# Altium PCB BitDogLab V7.PcbDoc (part 1 of 2) (continued)
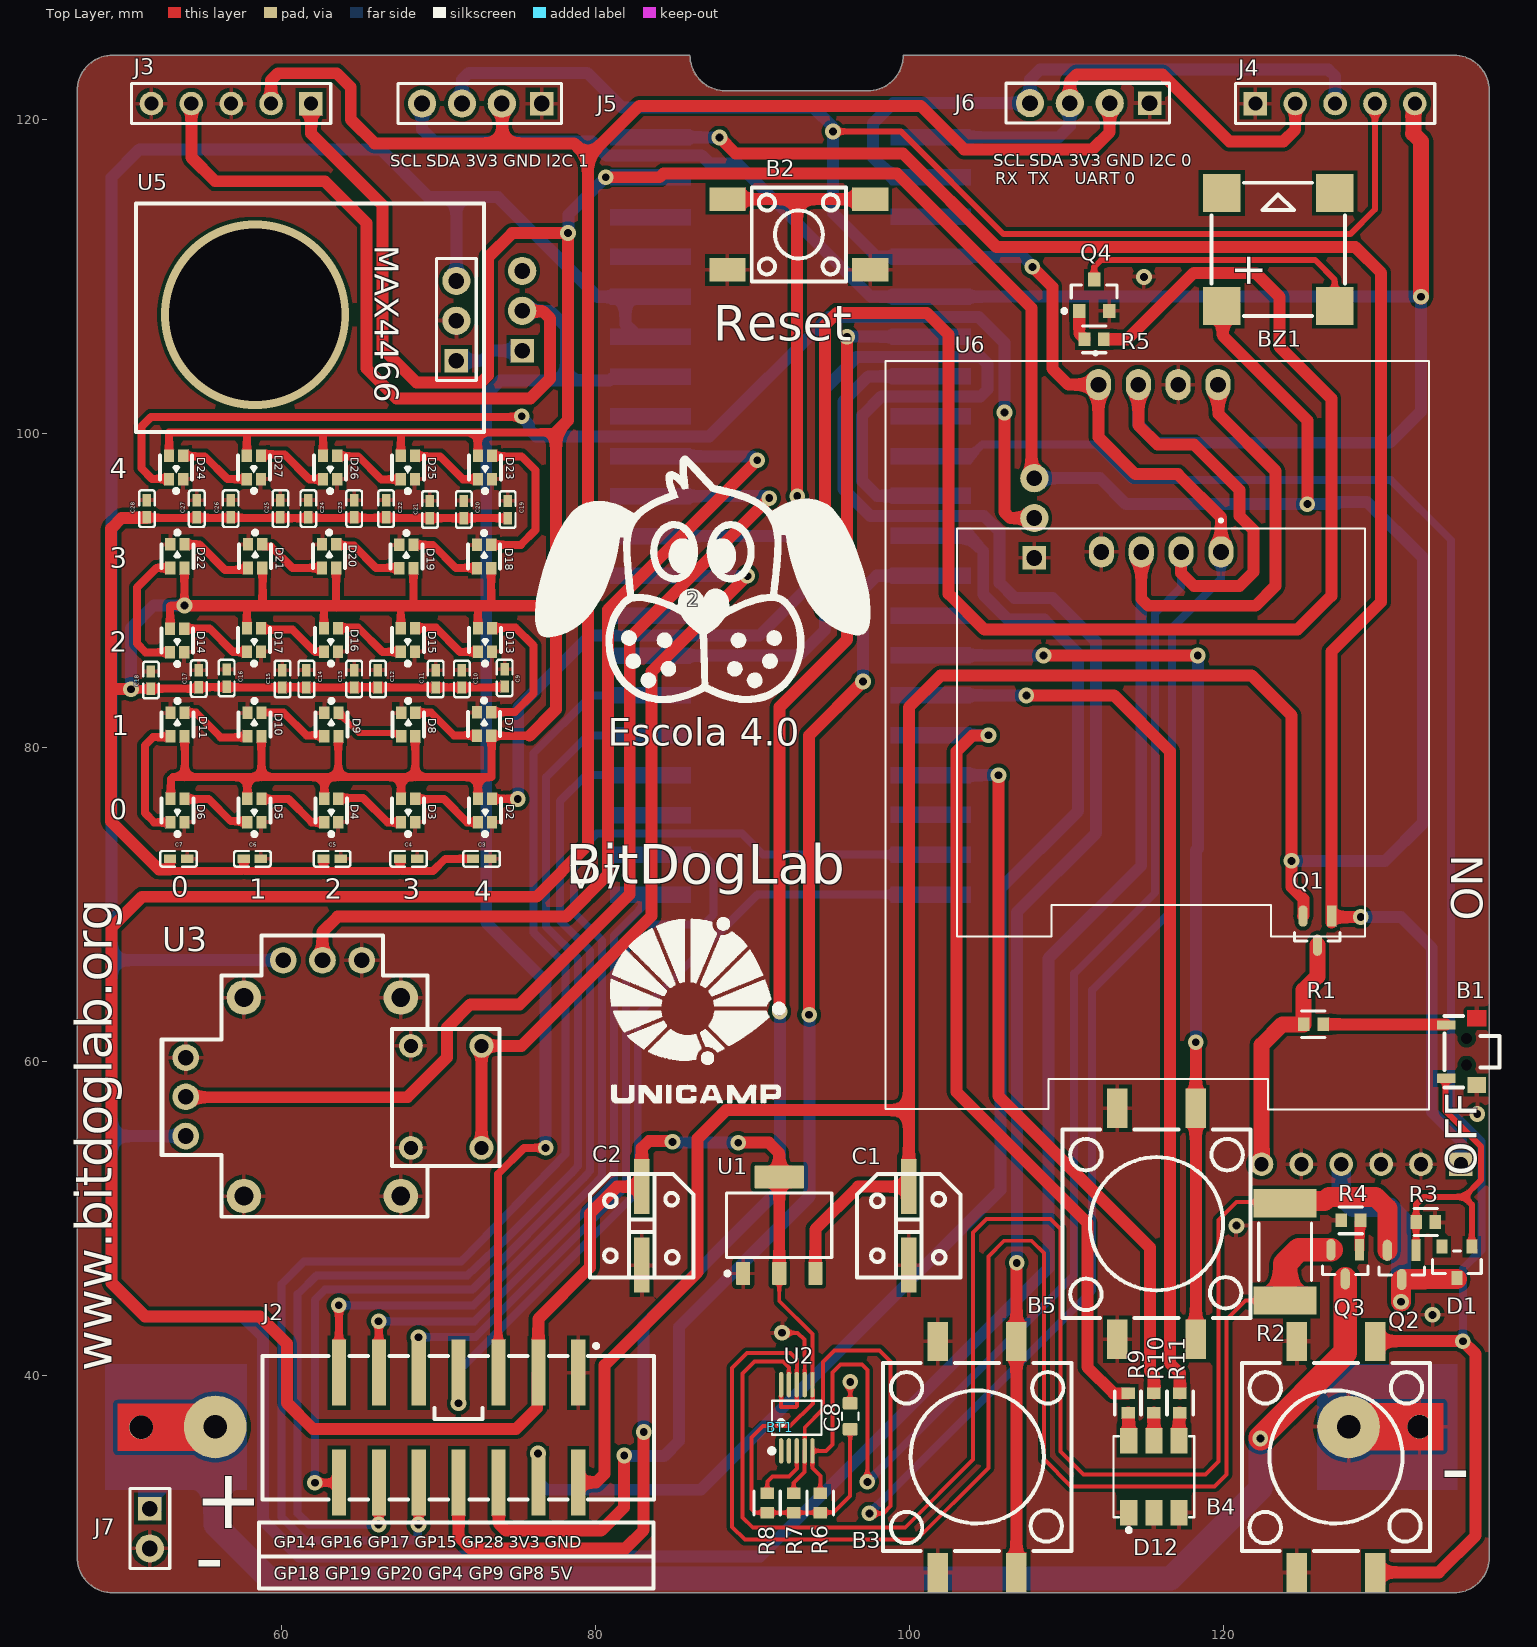
[diagram p0: Top Layer view]
## Footprints (in the part's own frame and the unit in brackets; to place one, negate y for a bottom-side part, rotate by r counter-clockwise, add the part's x,y. Pads: shape width x height; smd on the part's side, far side on the other; paste and mask are expansions set on the pad)
"Bateria 18650 - SMD" [mm]
  round 1.525 hole 1.5: 1(-0.013,76.74) 2(0.03,-4.726)
  round 4 / inner round 1.525 / far side round 1.525 hole 1.5 paste-2539.97 mask+0: 1(0,72.22) 2(0,0)
  Top Layer region: -1.513,78.24 -1.513,71.876 1.487,71.876 1.487,78.24
  Top Layer region: 1.53,-6.226 1.53,0.138 -1.47,0.138 -1.47,-6.226
  Bottom Layer region: -4,70.22 4,70.22 4,79.147 -4,79.147
  Bottom Layer region: -1.513,78.24 -1.513,71.876 1.487,71.876 1.487,78.24
  Bottom Layer region: -4,-7.005 4,-7.005 4,2 -4,2
  Bottom Layer region: 1.53,-6.226 1.53,0.138 -1.47,0.138 -1.47,-6.226
  body extent -10.39,-2.82 10.41,74.83, height 3.41
"Buzzer SMD - MLT-8530" [mm]
  rect 2.4x2.4 smd paste+0 mask+0.051: 1(0,0) 2(7.2,0) 3(7.199,7.2) 4(0,7.2)
  silkscreen extent -0.65,-0.65 7.85,7.85, body extent -0.71,-0.57 7.79,7.93, height 3
"Capacitor SMD 0402" [mm] "Capacitor Ceramico"
  rect 0.79x0.54 smd paste-100 mask+0.051: 1(0,0) 2(1.09,0)
  silkscreen extent -0.62,-0.5 1.71,0.5, body extent 0,-0.28 1.05,0.28, height 0.59
"Capacitor SMD 0603" [mm] "Capacitor Ceramico"
  rrect25% 0.8x0.95 smd mask+0: 1(0,0) 2(1.65,0)
  silkscreen extent 0.59,-0.52 1.06,0.52, body extent 0.02,-0.41 1.63,0.45, height 0.88
"Capacitor SMD - 6.3 x 5.4mm" [mm]
  rect 1x3.5 smd paste+0 mask+0.051: 1(0,0) 2(0,-5.005)
  silkscreen extent -3.3,-5.8 3.3,0.8, body extent -3.27,-6.14 3.33,1.06, height 5.42
"Charger Module IP5306" [mm]
  rect 1.5x1.5 hole 0.9: 1(0,0)
  round 1.5 hole 0.9: 2(0,-2.54) 3(0,-5.08) 4(0,-7.62) 5(0,-10.16) 6(0,-12.7)
  silkscreen extent -2.5,-15.34 24.5,1.64, body extent -1.72,-14.27 23.28,2.83, height 4.42
"CHAVE TÁCTIL 12mm - SMD" [mm] "Chave Tactile de 6mm - Acionador Curto"
  rect 2.5x1.3 smd paste+0 mask+0.05: 1(0,0) 1(14.716,0) 2(0,-5) 2(14.716,-5)
  silkscreen extent 1.36,-8.5 13.36,3.5, body extent -0.38,-8.44 14.62,3.56, height 7.3
"CHAVE TÁCTIL SMD" [mm] "Chave Tactile de 6mm - Acionador Curto"
  rect 2.3x1.5 smd: 1(0,0) 1(9.1,0) 2(0,-4.5) 2(9.1,-4.5)
  silkscreen extent 1.55,-5.25 7.55,0.75, body extent -0.37,-5.42 9.66,0.92, height 5.55
"CHAVE TÁCTIL SMD 90" [mm] "SHOU HAN TS24CA 90 graus / LCSC Part C393942"
  rect 0.6x1.2 smd: 1(-2.55,-1.3) 2(0.85,-1.3)
  round 0.025 smd: 3(-2.975,0.65)
  rect 1x1.2 smd: 4(1.275,0.65)
  round 0.25 hole 0.7: 5(-1.7,0) 6(0,0)
  Top Layer region: -3.475,1.25 -3.475,0.05 -2.475,0.05 -2.475,1.25
  silkscreen extent -3.13,-1.4 1.43,2.1, body extent -3.2,-1.56 1.5,2.1, height 1.95
"Conector IDC 14 Pinos" [mm]
  rect 0.9x4.2 smd: 1(-8.144,-3.712) 2(-8.144,3.288) 3(-5.604,-3.712) 4(-5.604,3.288) 5(-3.064,-3.712) 6(-3.064,3.288) 7(-0.524,-3.712) 8(-0.524,3.288) 9(2.016,-3.712) 10(2.016,3.288) 11(4.556,-3.712) 12(4.556,3.288) 13(7.096,-3.712) 14(7.096,3.288)
  silkscreen extent -12.97,-5.55 11.99,4.36, body extent -9.43,-4.01 8.35,3.69, height 9.68
"Connector XH 1x4" [mm]
  rect 1.5x1.5 hole 1: 1(0,0)
  round 1.8 hole 1: 2(2.54,0) 3(5.08,0) 4(7.62,0)
  silkscreen extent -1.27,-1.27 9.14,1.27, body extent -2.46,-1.6 10.04,2.2, height 6
DCY0004A_L [mm] "SOT223, 4-Leads, Body 6.7x3.7mm, Pitch 2.3mm, IPC High Density"
  rrect11% 1.45x0.9 smd: 1(-3.075,2.3) 2(-3.075,0) 3(-3.075,-2.3)
  rrect7% 1.45x3.15 smd: 4(3.075,0)
  silkscreen extent -3.2,-3.35 2.05,3.42, body extent -3.5,-3.25 3.5,3.25, height 1.62
"DISPLAY OLED 128x128 e 128x64" [mm] "Display SH1107e SSD1306"
  oval 1.6x2 hole 1: 1(0,0) 1(4.895,10.662) 2(2.54,0) 2(7.435,10.662) 3(2.355,10.662) 3(5.08,0) 4(-0.185,10.662) 4(7.62,0)
  silkscreen extent -13.76,-35.52 20.88,12.76, body extent -13.55,-35.17 20.6,11.89, height 5.84
FP-6_541-5014_01-4-MFG [mm]
  rect 0.9x0.7 smd paste+0 mask+0: 1(-1,0.95) 2(-1,-0.95) 3(1,0)
  silkscreen extent -0.71,-1.55 0.71,1.55, body extent -1.55,-1.65 1.55,1.65, height 0.25
FP-CRCW0603-e3-IPC_C [mm]
  rect 0.735x0.862 smd paste+0 mask+0: 1(-0.615,0) 2(0.615,0)
  silkscreen extent -0.75,-0.85 0.75,0.85, body extent -1.08,-0.58 1.08,0.58, height 0.25
FP-RL2512-MFG [mm]
  rect 1.8x4 smd paste+0 mask+0: 1(-3.1,0) 2(3.1,0)
  silkscreen extent -1.83,-1.68 1.83,1.68, body extent -4.1,-2.1 4.1,2.1, height 0.25
FP-SOT23-IPC_B [mm]
  rect 1.359x0.587 smd paste+0 mask+0: 1(-0.927,0.915)
  rrect100% 1.359x0.587 smd paste+0 mask+0: 2(-0.927,-0.915) 3(0.927,0)
  silkscreen extent 0.13,-1.45 0.65,1.45, body extent -1.2,-1.45 1.2,1.45, height 1.1
"HDR1X2 3D Macho" [mm] "Connector; Header; 2 Position"
  rect 1.5x1.5 hole 1: 1(0,0)
  round 1.8 hole 1: 2(2.54,0)
  silkscreen extent -1.27,-1.27 3.81,1.27, body extent -1.27,-1.24 3.81,1.25, height 8.54
"HDR1x3 3D Macho" [mm]
  rect 1.5x1.5 hole 1: 1(0,0)
  round 1.8 hole 1: 2(2.54,0) 3(5.08,0)
  silkscreen extent -1.27,-1.27 6.5,1.27, body extent -1.31,-1.47 6.31,1.07, height 9.2
HDR1X5 [mm] "Connector; Header; 5 Position"
  rect 1.5x1.5 hole 0.9: 1(0,0)
  round 1.5 hole 0.9: 2(2.54,0) 3(5.08,0) 4(7.62,0) 5(10.16,0)
  silkscreen extent -1.27,-1.27 11.43,1.27
"JoyStick PCB - PS5 3.0" [mm]
  round 1.524 hole 0.9 paste-2539.97 mask+0.051: B1A(-3.186,-5.659) B1A(-3.186,-12.159) B2A(1.314,-5.659) B2A(1.314,-12.159)
  round 1.7 hole 1 paste-2539.97 mask+0.051: H1(15.655,-11.409) H2(15.655,-8.909) H3(15.655,-6.409) V1(4.449,-17.613) V2(6.949,-17.613) V3(9.449,-17.613)
  round 2.2 hole 1.2 paste-2539.97 mask+0.051: S1(1.955,-15.238) S2(11.955,-15.238) S3(11.955,-2.588) S4(1.955,-2.588)
  silkscreen extent -4.33,-19.18 17.2,-1.27, body extent -4.55,-18.82 16.8,-1.57, height 19.91
"LED RGB - XL-1615RGBC-WS2812B" [mm] "LED RGB SMD 1.6 x 1.5mm Endereçável"
  rect 0.8x0.65 smd paste+0 mask+0.05: 1(0,0) 2(1.5,0) 3(0,-0.9) 4(1.5,-0.9)
  silkscreen extent -0.88,-1.47 1.51,0.57, body extent -0.22,-1.45 1.98,0.55, height 0.84
"LED RGB SMD 5050" [mm] "LED RGB SMD 5050"
  rect 1.625x1.1 smd paste+0 mask+0.051: 1(-3.622,8.871) 2(-3.622,10.471) 3(-3.622,12.071) 4(0.953,12.071) 5(0.953,10.471) 6(0.953,8.871)
  silkscreen extent -4.86,7.89 1.24,13.05, body extent -4.09,7.91 1.41,12.91, height 1.4
"logo bitDog 25mm" [mm]
  silkscreen extent -10.85,-7.34 10.51,8.42
MAX4466 [mm]
  rect 1.5x1.5 hole 1: 1(0,0)
  round 1.8 hole 1: 2(0,-2.54) 3(0,-5.08)
  silkscreen extent -1.75,-10 20.4,4.56, body extent -1.53,-9.64 20.06,4.33, height 3.65
"MSOP 10 Pinos" [mm]
  oval 0.28x1.62 smd: 1(-1.834,-7.632) 2(-1.334,-7.632) 3(-0.834,-7.632) 4(-0.334,-7.632) 5(0.166,-7.632) 6(0.166,-3.413) 7(-0.334,-3.413) 8(-0.834,-3.413) 9(-1.334,-3.413) 10(-1.834,-3.413)
  silkscreen extent -2.58,-7.78 0.74,-4.45, body extent -2.4,-8.02 0.7,-3.02, height 0.96
ONSC-SOT-23-3-318-08_V [mm] "SOT23, 3-Leads, Body 2.92x1.3mm, Pitch 0.95mm"
  rect 0.9x0.8 smd: 1(-1,0.95) 2(-1,-0.95) 3(1,0)
  silkscreen extent -1.12,-1.46 0.65,2.02, body extent -0.65,-1.46 0.65,1.46, height 1.11
"Raspberry Pi Pico W - Header SMD Tipo 1 e 2" [mil]
  round 1 smd: 1(0,0) 2(-126.18,-100) 3(0,-200) 4(-126.18,-300) 5(0,-400) 6(-126.18,-500) 7(0,-600) 8(-126.18,-700) 9(0,-800) 10(-126.18,-900) 11(0,-1000) 12(-126.18,-1100) 13(0,-1200) 14(-126.18,-1300) 15(0,-1400) 16(-126.18,-1500) 17(0,-1600) 18(-126.18,-1700) 19(0,-1800) 20(-126.18,-1900) 21(577.15,-1900.41) 22(703.33,-1800.41) 23(577.15,-1700.41) 24(703.33,-1600.41) 25(577.15,-1500.41) 26(703.33,-1400.41) 27(577.15,-1300.41) 28(703.33,-1200.41) 29(577.15,-1100.41) 30(703.33,-1000.41) 31(577.15,-900.41) 32(703.33,-800.41) 33(577.15,-700.41) 34(703.33,-600.41) 35(577.15,-500.41) 36(703.33,-400.41) 37(577.15,-300.41) 38(703.33,-200.41) 39(577.15,-100.41) 40(703.33,-0.41)
  Top Layer region: 539.65,-120.49 740.75,-120.49 740.75,-80.33 539.65,-80.33
  Top Layer region: 539.65,-1120.49 740.79,-1120.49 740.79,-1080.33 539.65,-1080.33
  Top Layer region: 539.65,-1320.49 740.8,-1320.49 740.8,-1280.33 539.65,-1280.33
  Top Layer region: -163.68,-1520.08 37.55,-1520.08 37.55,-1479.92 -163.68,-1479.92
  Top Layer region: 539.73,-1620.49 740.83,-1620.49 740.83,-1580.33 539.73,-1580.33
  Top Layer region: -163.54,-1020.08 37.5,-1020.08 37.5,-979.92 -163.54,-979.92
  Top Layer region: -163.55,-820.08 37.5,-820.08 37.5,-779.92 -163.55,-779.92
  Top Layer region: -163.51,-1820.08 37.5,-1820.08 37.5,-1779.92 -163.51,-1779.92
  Top Layer region: -163.56,-420.08 37.5,-420.08 37.5,-379.92 -163.56,-379.92
  Top Layer region: -163.52,-1620.08 37.5,-1620.08 37.5,-1579.92 -163.52,-1579.92
  Top Layer region: 539.67,-20.49 740.83,-20.49 740.83,19.67 539.67,19.67
  Top Layer region: -163.68,-920.08 37.52,-920.08 37.52,-879.92 -163.68,-879.92
  Top Layer region: -162.47,-20.08 37.5,-20.08 37.5,20.08 -162.47,20.08
  Top Layer region: -163.68,-1120.08 37.53,-1120.08 37.53,-1079.92 -163.68,-1079.92
  Top Layer region: 539.65,-1520.49 740.8,-1520.49 740.8,-1480.33 539.65,-1480.33
  Top Layer region: 539.65,-520.49 740.77,-520.49 740.77,-480.33 539.65,-480.33
  Top Layer region: 539.68,-420.49 740.83,-420.49 740.83,-380.33 539.68,-380.33
  Top Layer region: -163.68,-520.08 37.51,-520.08 37.51,-479.92 -163.68,-479.92
  Top Layer region: -163.68,-120.08 37.5,-120.08 37.5,-79.92 -163.68,-79.92
  Top Layer region: 539.67,-820.49 740.83,-820.49 740.83,-780.33 539.67,-780.33
  Top Layer region: -163.68,-1320.08 37.54,-1320.08 37.54,-1279.92 -163.68,-1279.92
  Top Layer region: 539.72,-1420.49 740.83,-1420.49 740.83,-1380.33 539.72,-1380.33
  Top Layer region: -163.68,-1920.08 37.56,-1920.08 37.56,-1879.92 -163.68,-1879.92
  Top Layer region: 539.65,-1720.49 740.81,-1720.49 740.81,-1680.33 539.65,-1680.33
  Top Layer region: -163.68,-1720.08 37.55,-1720.08 37.55,-1679.92 -163.68,-1679.92
  Top Layer region: 539.71,-1220.49 740.83,-1220.49 740.83,-1180.33 539.71,-1180.33
  Top Layer region: 539.65,-720.49 740.78,-720.49 740.78,-680.33 539.65,-680.33
  Top Layer region: -163.68,-720.08 37.52,-720.08 37.52,-679.92 -163.68,-679.92
  Top Layer region: 539.68,-220.49 740.83,-220.49 740.83,-180.33 539.68,-180.33
  Top Layer region: -163.53,-1220.08 37.5,-1220.08 37.5,-1179.92 -163.53,-1179.92
  Top Layer region: -163.57,-220.08 37.5,-220.08 37.5,-179.92 -163.57,-179.92
  Top Layer region: -163.53,-1420.08 37.5,-1420.08 37.5,-1379.92 -163.53,-1379.92
  Top Layer region: 539.7,-1020.49 740.83,-1020.49 740.83,-980.33 539.7,-980.33
  Top Layer region: 539.73,-1820.49 740.83,-1820.49 740.83,-1780.33 539.73,-1780.33
  Top Layer region: -163.55,-620.08 37.5,-620.08 37.5,-579.92 -163.55,-579.92
  Top Layer region: -163.68,-320.08 37.5,-320.08 37.5,-279.92 -163.68,-279.92
  Top Layer region: 539.69,-620.49 740.83,-620.49 740.83,-580.33 539.69,-580.33
  Top Layer region: 539.65,-920.49 740.78,-920.49 740.78,-880.33 539.65,-880.33
  Top Layer region: 539.65,-1920.49 740.82,-1920.49 740.82,-1880.33 539.65,-1880.33
  Top Layer region: 539.65,-320.49 740.76,-320.49 740.76,-280.33 539.65,-280.33
  silkscreen extent -122,-1958 705,50, body extent -127,-1953 700,111, height 148

## Part data
2: library part "logo bitDog 25mm"
B1: library part "Push Buttom SMD 90 graus", "Botão Desliga Placa", LCSC Part Name=C393942, LatestRevisionDate=17-Jul-2002, LatestRevisionNote="Re-released for DXP Platform.", PackageReference=SPST-2, Published=24-Mar-1999, Publisher="Altium Limited"
B2: library part SW-PB, "Botão Reset", LCSC Part Name=C7470150, LatestRevisionDate=17-Jul-2002, LatestRevisionNote="Re-released for DXP Platform.", PackageReference=SPST-2, Published=24-Mar-1999, Publisher="Altium Limited"
B3 B4 B5: library part SW-PB, "CHAVE TÁCTIL 12mm - SMD", LCSC Part Name=C455234, LatestRevisionDate=17-Jul-2002, LatestRevisionNote="Re-released for DXP Platform.", PackageReference=SPST-2, Published=24-Mar-1999, Publisher="Altium Limited"
BT1: library part Battery, "Bateria 18650 3,7V", LatestRevisionDate=17-Jul-2002, LatestRevisionNote="Re-released for DXP Platform.", PackageReference=BAT-2, Published=24-Mar-1999, Publisher="Altium Limited"
BZ1: library part Buzzer, "Buzzer SMD", LCSC Part Name=C94599, ComponentLink1Description="Manufacturer Link", ComponentLink1URL=https://www.lcsc.com/product-detail/Buzzers_Jiangsu-Huaneng-Elec-MLT-8530_C94599.html, DatasheetVersion=17-Dec-2003, LatestRevisionDate=17-Dec-2003, LatestRevisionNote="Schematic revised, PCB Footprint replaced.", PackageReference=ABSM-1574, Published=24-Mar-1999, Publisher="Altium Limited"
C1 C2: library part "Cap Pol1", "Capacitor Eletrolítico 100uF  SMD 6.3 x 5.4 mm", LCSC Part Name=C7469977, LatestRevisionDate=17-Jul-2002, LatestRevisionNote="Re-released for DXP Platform.", PackageReference=RB7.6-15, Published=8-Jun-2000, Publisher="Altium Limited"
C3 C4 C5 C6 C7 C9 C10 C11 C12 C13 C14 C15 C16 C17 C18 C19 C20 C21 C22 C23 C24 C25 C26 C27 C28: "Capacitor SMD 0402", LCSC Part Name=C105883, LatestRevisionDate=17-Jul-2002, LatestRevisionNote="Re-released for DXP Platform.", PackageReference=RAD-0.3, Published=8-Jun-2000, Publisher="Altium Limited"
C8: "Capacitor SMD 0402", LCSC Part Name=C30926, LatestRevisionDate=17-Jul-2002, LatestRevisionNote="Re-released for DXP Platform.", PackageReference=RAD-0.3, Published=8-Jun-2000, Publisher="Altium Limited"
D1: library part CMP-02539-000028-1, "Diodo Schottky SOT23", Capacitance=10pF, Forward Current=200mA, LCSC Part Name=C47546, MANUFACTURER=Vishay, Manufacturer Part Number=BAT54S-E3-08, Max Junction Temp=+125°C, Max Repetitive Reverse Voltage=30V, Max Surge Forward Current=600mA, Package=6.541-5014.01-4, Peak Reverse Current=2uA, Temperature="-55°C to +125°C", Temperature Range Low=-55°C, Automotive=No, Category=Diode, ComponentLink2Description=Datasheet, ComponentLink2URL=http://www.vishay.com/docs/85508/bat54.pdf, Device Class L1="Discrete Semiconductors", Device Class L2=Diodes, Device Class L3="Schottky Diodes", Digikey Description="DIODE ARRAY SCHOTTKY 30V SOT23", Height=1.15mm, Lead Free=Yes, Mouser Description="Schottky Diodes & Rectifiers 200mA 30 Volt", Octopart=https://octopart.com/bat54s-e3-08-vishay-29186616, RoHS=TRUE, Temperature Range High=+125°C
D2 D3 D4 D5 D6 D7 D8 D9 D10 D11 D13 D14 D15 D16 D17 D18 D19 D20 D21 D22 D23 D24 D25 D26 D27: library part "LED RGB XL-1615RGBC-WS2812B", "LED RGB Endereçável", LCSC Part Name=C5349954
D12: library part "LED_RGB_5050 - HL-AF-5060H271BU46FU79GC-S1-THL", "LED RGB 5050", JLCPCB Part Class="Extended Part", LCSC Part Name=C2843868, MANUFACTURER=HONGLITRONIC(鸿利光电), Add into BOM=yes, Convert to PCB=yes, Datasheet=https://atta.szlcsc.com/upload/public/pdf/source/20180503/C219409_0CFE42153F672A4C05B1C40D14E85291.pdf, Device=HL-AF-5060H271BU46FU79GC-S1-THL, MANUFACTURER PART=HL-AF-5060H271BU46FU79GC-S1-THL, SUPPLIER=LCSC, Supplier Footprint=SMD5050, SUPPLIER PART=C2843868, Symbol=HL-AF-5060H271BU46FU79GC-S1-THL
J1: library part "Header 6", "Múdulo de Carga Bateria", LatestRevisionDate=17-Jul-2002, LatestRevisionNote="Re-released for DXP Platform.", Publisher="Altium Limited"
J2: library part "Header 7X2", "Conector IDC 14 Pinos SMT", LCSC Part Name=C601968, LatestRevisionDate=17-Jul-2002, LatestRevisionNote="Re-released for DXP Platform.", Publisher="Altium Limited"
J3 J4: "Saídas de Expansão", LatestRevisionDate=17-Jul-2002, LatestRevisionNote="Re-released for DXP Platform.", Publisher="Altium Limited"
J5 J6: "Header, 4-Pin", LatestRevisionDate=17-Jul-2002, LatestRevisionNote="Re-released for DXP Platform.", Publisher="Altium Limited"
J7: library part "Header 2", "Entrada Bateria Externa", LatestRevisionDate=17-Jul-2002, LatestRevisionNote="Re-released for DXP Platform.", Publisher="Altium Limited"
J8: "Saída LED Endereçáveis", LatestRevisionDate=17-Jul-2002, LatestRevisionNote="Re-released for DXP Platform.", Publisher="Altium Limited"
JP1: "Liga Microfone", LatestRevisionDate=17-Jul-2002, LatestRevisionNote="Re-released for DXP Platform.", PackageReference=RAD-0.2, Published=24-Mar-1999, Publisher="Altium Limited"
Q1 Q2 Q3: library part CMP-1693-00002-4, "MOSFET P-CH 20V 4.2A SOT23", Case/Package=SOT-23, Continuous Drain Current (ID)=4.2A, Drain to Source Resistance=200mR, Drain to Source Voltage (Vdss)=20V, Gate to Source Voltage (Vgs)=8V, Input Capacitance=808pF, LCSC Part Name=C150470, Max Operating Temperature=150°C, Max Power Dissipation=1.4W, Min Operating Temperature=-55°C, On-State Resistance=52MR, Package Quantity=3000, Threshold Voltage=-900mV, Contact Plating=Tin, Element Configuration=Single, Fall Time=34.7ns, Height=1.1mm, Lead Free="Lead Free", Length=3mm, Mount="Surface Mount", Number of Channels=1, Number of Pins=3, Packaging="Tape and Reel", Radiation Hardening=No, Rds On Max=52mR, REACH SVHC="No SVHC", Rise Time=13.7ns, Turn-Off Delay Time=79.3ns, Turn-On Delay Time=10.8ns, Weight=0.000282oz, Width=1.4mm
Q4: library part CMP-1048-00736-1, "General Purpose Transistor, NPN Silicon, 3-Pin SOT-23, Pb-Free, Tape and Reel", LCSC Part Name=C52801, MANUFACTURER="On Semiconductor", partnumber=BC817-16LT1G, ComponentLink1Description="Manufacturer URL", ComponentLink1URL=http://www.onsemi.com/, ComponentLink2Description=Datasheet, ComponentLink2URL=http://www.onsemi.com/pub_link/Collateral/BC817-16LT1-D.PDF, ComponentLink3Description="Package Specification", ComponentLink3URL=http://www.onsemi.cn/pub_link/Collateral/318-08.PDF, DatasheetVersion="Rev. 12", fT Min (MHz)=100, IC Continuous (A)=0.5, Mounting Technology="Surface Mount", PackageDescription="3-Pin Small Outline Transistor, Body 2.92 x 1.3 mm, Pitch 0.95 mm", PackageReference=SOT-23-3-318-08, PackageVersion="Rev. AP, 11/2009", Packing="Tape and Reel", Polarity=NPN, RoHS=TRUE
R1: library part CMP-2000-03059-2, "RES Thick Film, 10kΩ, 1%, 0.1W, 100ppm/°C, 0603", Case Code (Imperial)=0603, Case Code (Metric)=1608, LCSC Part Name=C98220, Max Operating Temperature=155°C, Max Power Dissipation=100mW, Min Operating Temperature=-55°C, Package Quantity=10, Resistance=10kR, Temperature Coefficient=100ppm/°C, Tolerance=1%, Voltage Rating=75V, Case/Package=0603, Composition="Thick Film", Contact Plating=Tin, Depth=0.85mm, Features="Automotive AEC-Q200", Height=0.45mm, Lead Free="Lead Free", Length=1.55mm, Military Standard=Not, Mount="Surface Mount", Number of Terminations=2, Packaging="Tape and Reel", Power Rating=100mW, Radiation Hardening=No, Termination=SMD/SMT, Voltage Rating (DC)=75V, Weight=7.1E-05oz, Width=0.033inch, Working Voltage=75V
R2: library part CMP-03412-013102-1, "RES 0.1 OHM 1% 1W 2512", LCSC Part Name=C160587, MANUFACTURER=YAGEO, Manufacturer Part Number=RL2512FK-070R1L, Package=RL2512, Power Rating=1W, Resistance=100mΩ, Temperature="-55°C to +155°C", Temperature Coefficient=600ppm/°C, Temperature Range High=+155°C, Temperature Range Low=-55°C, Tolerance=1%, Automotive=Yes, Automotive Grade="Grade 0", Category=Res, ComponentLink2Description=Datasheet, ComponentLink2URL=http://www.yageo.com/documents/recent/PYu-RL_Group_521_RoHS_L_2.pdf, Composition="Thick Film", Device Class L1="Passive Components", Device Class L2=Resistors, Device Class L3="Chip SMD Resistors", Digikey Description="RES 0.1 OHM 1% 1W 2512", Footprint Url=http://www.yageo.com/exep/pages/download/literatures/PYu-R_Mount_10.pdf, Height=0.65mm, Ipc Land Pattern Name=RESC635320X55, Lead Free=Yes, Mouser Description="Current Sense Resistors 0.1ohm 1% 1W", Octopart=https://octopart.com/rl2512fk-070r1l-yageo-42334369, RoHS=TRUE, Series=RL
R3 R4: library part CMP-2000-03059-2, "RES Thick Film, 100kΩ, 1%, 0.1W, 100ppm/°C, 0603", Case Code (Imperial)=0603, Case Code (Metric)=1608, LCSC Part Name=C25803, Max Operating Temperature=155°C, Max Power Dissipation=100mW, Min Operating Temperature=-55°C, Package Quantity=10, Resistance=100kR, Temperature Coefficient=100ppm/°C, Tolerance=1%, Voltage Rating=75V, Case/Package=0603, Composition="Thick Film", Contact Plating=Tin, Depth=0.85mm, Features="Automotive AEC-Q200", Height=0.45mm, Lead Free="Lead Free", Length=1.55mm, Military Standard=Not, Mount="Surface Mount", Number of Terminations=2, Packaging="Tape and Reel", Power Rating=100mW, Radiation Hardening=No, Termination=SMD/SMT, Voltage Rating (DC)=75V, Weight=7.1E-05oz, Width=0.033inch, Working Voltage=75V
R5: library part CMP-2000-03059-2, "RES Thick Film, 330Ω, 1%, 0.1W, 100ppm/°C, 0603", Case Code (Imperial)=0603, Case Code (Metric)=1608, LCSC Part Name=C23138, Max Operating Temperature=155°C, Max Power Dissipation=100mW, Min Operating Temperature=-55°C, Package Quantity=10, Temperature Coefficient=100ppm/°C, Tolerance=1%, Voltage Rating=75V, Case/Package=0603, Composition="Thick Film", Contact Plating=Tin, Depth=0.85mm, Features="Automotive AEC-Q200", Height=0.45mm, Lead Free="Lead Free", Length=1.55mm, Military Standard=Not, Mount="Surface Mount", Number of Terminations=2, Packaging="Tape and Reel", Power Rating=100mW, Radiation Hardening=No, Resistance=330R, Termination=SMD/SMT, Voltage Rating (DC)=75V, Weight=7.1E-05oz, Width=0.033inch, Working Voltage=75V
R6 R7 R8: library part CMP-2000-03059-2, "RES Thick Film, 10kΩ, 1%, 0.1W, 100ppm/°C, 0603", Case Code (Imperial)=0603, Case Code (Metric)=1608, LCSC Part Name=C98220, Max Operating Temperature=155°C, Max Power Dissipation=100mW, Min Operating Temperature=-55°C, Package Quantity=10, Resistance=10k, Temperature Coefficient=100ppm/°C, Tolerance=1%, Voltage Rating=75V, Case/Package=0603, Composition="Thick Film", Contact Plating=Tin, Depth=0.85mm, Features="Automotive AEC-Q200", Height=0.45mm, Lead Free="Lead Free", Length=1.55mm, Military Standard=Not, Mount="Surface Mount", Number of Terminations=2, Packaging="Tape and Reel", Power Rating=100mW, Radiation Hardening=No, Termination=SMD/SMT, Voltage Rating (DC)=75V, Weight=7.1E-05oz, Width=0.033inch, Working Voltage=75V
R9 R10: library part CMP-2000-03059-2, "RES Thick Film, 220Ω, 1%, 0.1W, 100ppm/°C, 0603", Case Code (Imperial)=0603, Case Code (Metric)=1608, LCSC Part Name=C2907014, Max Operating Temperature=155°C, Max Power Dissipation=100mW, Min Operating Temperature=-55°C, Package Quantity=10, Temperature Coefficient=100ppm/°C, Tolerance=1%, Voltage Rating=75V, Case/Package=0603, Composition="Thick Film", Contact Plating=Tin, Depth=0.85mm, Features="Automotive AEC-Q200", Height=0.45mm, Lead Free="Lead Free", Length=1.55mm, Military Standard=Not, Mount="Surface Mount", Number of Terminations=2, Packaging="Tape and Reel", Power Rating=100mW, Radiation Hardening=No, Resistance=220R, Termination=SMD/SMT, Voltage Rating (DC)=75V, Weight=7.1E-05oz, Width=0.033inch, Working Voltage=75V
R11: library part CMP-2000-03059-2, "RES Thick Film, 150Ω, 1%, 0.1W, 100ppm/°C, 0603", Case Code (Imperial)=0603, Case Code (Metric)=1608, LCSC Part Name=C2907103, Max Operating Temperature=155°C, Max Power Dissipation=100mW, Min Operating Temperature=-55°C, Package Quantity=10, Temperature Coefficient=100ppm/°C, Tolerance=1%, Voltage Rating=75V, Case/Package=0603, Composition="Thick Film", Contact Plating=Tin, Depth=0.85mm, Features="Automotive AEC-Q200", Height=0.45mm, Lead Free="Lead Free", Length=1.55mm, Military Standard=Not, Mount="Surface Mount", Number of Terminations=2, Packaging="Tape and Reel", Power Rating=100mW, Radiation Hardening=No, Resistance=150R, Termination=SMD/SMT, Voltage Rating (DC)=75V, Weight=7.1E-05oz, Width=0.033inch, Working Voltage=75V
U1: library part CMP-0062-01638-4, "800mA Low-Dropout Linear Regulator, 4-pin SOT-223, Pb-Free", LCSC Part Name=C9662, MANUFACTURER="Texas Instruments", PackageTopMarking=XYTT*N05A, PowerWise=N, Code_IPC=SOT223-4, Code_JEDEC=TO-261-AA, ComponentLink1Description="Datasheet URL", ComponentLink1URL=http://www.ti.com/general/docs/lit/getliterature.tsp?genericPartNumber=LM1117-N&fileType=pdf, CompType="LDO IC", High-Reliability=Y, PackageDescription="Molded SOT-223, 6.50 x 3.56 x 1.6mm Body, 4 Lead, 2.3mm Pitch", PackageReference=DCY0004A, partnumber=LM1117MP-3.3/NOPB, PinCount=4, RoHS=Y
U2: library part INA226, "Ultra-Precise I2C Output Current, Voltage, and Power Monitor", LCSC Part Name=C49851, LatestRevisionDate=17-Jul-2002, LatestRevisionNote="Re-released for DXP Platform.", Publisher="Altium Limited"
U3: library part "JoyStick COM-09032", "Joystick Analógico (Resistivo e de Efeito Hall)"
U4: library part "Raspberry Pi Pico W", "RP2040 Raspberry Pi Pico - ARMÂ® CortexÂ®-M0+ MCU 32-Bit Embedded Evaluation Board", Package=None, Availability="In Stock", Check_prices=https://www.snapeda.com/parts/SC0918/Raspberry+Pi/view-part/?ref=eda, MF="Raspberry Pi", MP=SC0918, Price=None, Purchase-URL=https://pricing.snapeda.com/search/part/SC0918/?ref=eda, SnapEDA_Link=https://www.snapeda.com/parts/SC0918/Raspberry+Pi/view-part/?ref=snap
U5: library part "MAX4466 - Módulo Microfone", "Módulo de Microfone"
U6: library part "SSD1306 - DISPLAY OLED", "0.96\" 128 X 64 MONOCHROME GRAPHIC OLED DISPLAY MODULE - I2C", Package=Package, Check_prices=https://www.snapeda.com/parts/DM-OLED096-636/Display+Module/view-part/?ref=eda, MF="Display Module", MP=DM-OLED096-636, SnapEDA_Link=https://www.snapeda.com/parts/DM-OLED096-636/Display+Module/view-part/?ref=snap

## Via types
v1: diameter 1, hole 0.5, Top Layer to Bottom Layer, 54 vias
v2: diameter 12/12 (per signal layer), hole 11, Top Layer to Bottom Layer, 1 vias

## Nets (pads, with @x,y where several pads share a name; then routed paths per layer and width w, separated by ;. In a path a pad name is that pad's centre, name@x,y a point inside that pad or via, vN(x,y) a via of type N, cw(c..) or ccw(c..) an arc to the next point about the centre after c; other vN are vias at no path point)
3.3_OUT: U3.H3 U3.V3 U4.35 U4.36 U5.3 U6.2 | length 290.3
  Top Layer w0.762: U6.2@114.761,92.456 114.761,89.473 115.207,89.027 122.047,89.027 123.317,90.297 123.317,97.612 119.674,101.255 U6.2@119.674,103.237
  Bottom Layer w0.762: U3.H3@53.88,55.234 49.149,55.234 ; U3.V3@60.087,66.446 49.149,66.446 ; U5.3@71.12,109.728 71.12,115.062 ; U4.35@85.09,106.172 82.677,106.172 81.885,106.964 U4.36@81.885,108.712 80.112,108.712 73.762,115.062 71.12,115.062 ; U6.2@114.761,92.456 114.761,72.47 108.839,66.548 108.839,46.812 90.483,28.456 61.079,28.456 58.801,30.734 58.801,42.443 57.506,43.739 51.283,43.739 49.149,45.872 49.149,55.234 ; 49.149,55.234 49.149,66.446 ; 49.149,66.446 49.149,116.332 50.927,118.11 66.294,118.11 69.342,115.062 71.12,115.062
+3.3V: C2.1 C8.1 J2.3 J3.2 J5.2 J6.2 R6.1 R7.1 R8.1 U1.2 U1.4 U2.6 | length 265.1
  Top Layer w0.254: U1.2@91.694,46.478 91.694,44.729 93.812,42.612 93.812,41.432 93.828,41.416 93.828,40.328 93.817,40.317 93.817,40.077 93.812,40.072 U2.6@93.812,39.395 ; U2.6@93.833,39.091 93.833,38.207 92.38,36.754 90.653,36.754 89.916,36.017 89.916,31.471 90.145,31.242 R8.1@90.932,31.242 90.935,31.239 94.307,31.239 R6.1@94.31,31.236 94.324,31.25 95.156,31.25 96.215,32.309 C8.1@96.215,36.551
  Top Layer w0.762: J3.2@59.309,121.031 59.309,122.515 59.755,122.961 63.498,122.961 64.389,122.07 64.389,120.015 65.913,118.491 74.041,118.491 ; J5.2@74.041,121.003 74.041,118.491 ; v1(84.887,54.864) 84.841,54.91 84.015,54.91 84.01,54.915 83.377,54.915 82.931,54.468 C2.1@82.931,52.017 81.354,52.017 79.631,50.294 79.631,46.865 76.343,43.577 J2.3@76.343,40.161 76.274,40.092 76.274,37.92 74.93,36.576 61.976,36.576 60.325,38.227 60.325,42.012 58.598,43.739 51.283,43.739 49.149,45.872 49.149,68.55 51.084,70.485 76.23,70.485 79.502,73.757 79.502,117.602 ; v1(89.078,54.813) 91.034,54.813 91.694,54.153 U1.4@91.694,52.628 U1.2@91.694,46.478 ; J6.2@112.751,121.056 112.751,119.202 111.658,118.11 103.48,118.11 100.711,120.879 82.779,120.879 79.502,117.602 ; 74.041,118.491 78.613,118.491 79.502,117.602
  Bottom Layer w0.762: v1(84.887,54.864) 84.912,54.839 89.052,54.839 v1(89.078,54.813)
BUZZER_A: R5.2 U4.27 | length 115.1
  Top Layer w0.762: v1(94.615,88.773) 94.615,106.934 95.377,107.696 101.092,107.696 102.489,106.299 102.489,89.789 104.775,87.503 124.714,87.503 126.873,89.662 126.873,102.235 123.571,105.537 123.571,108.71 122.045,110.236 118.11,110.236 113.875,106.001 R5.2@112.375,106.001
  Bottom Layer w0.762: U4.27@85.09,85.852 92.964,85.852 94.615,87.503 v1(94.615,88.773)